# KiCad board HPM62_63_144_ADC_EVK_RevB.kicad_pcb
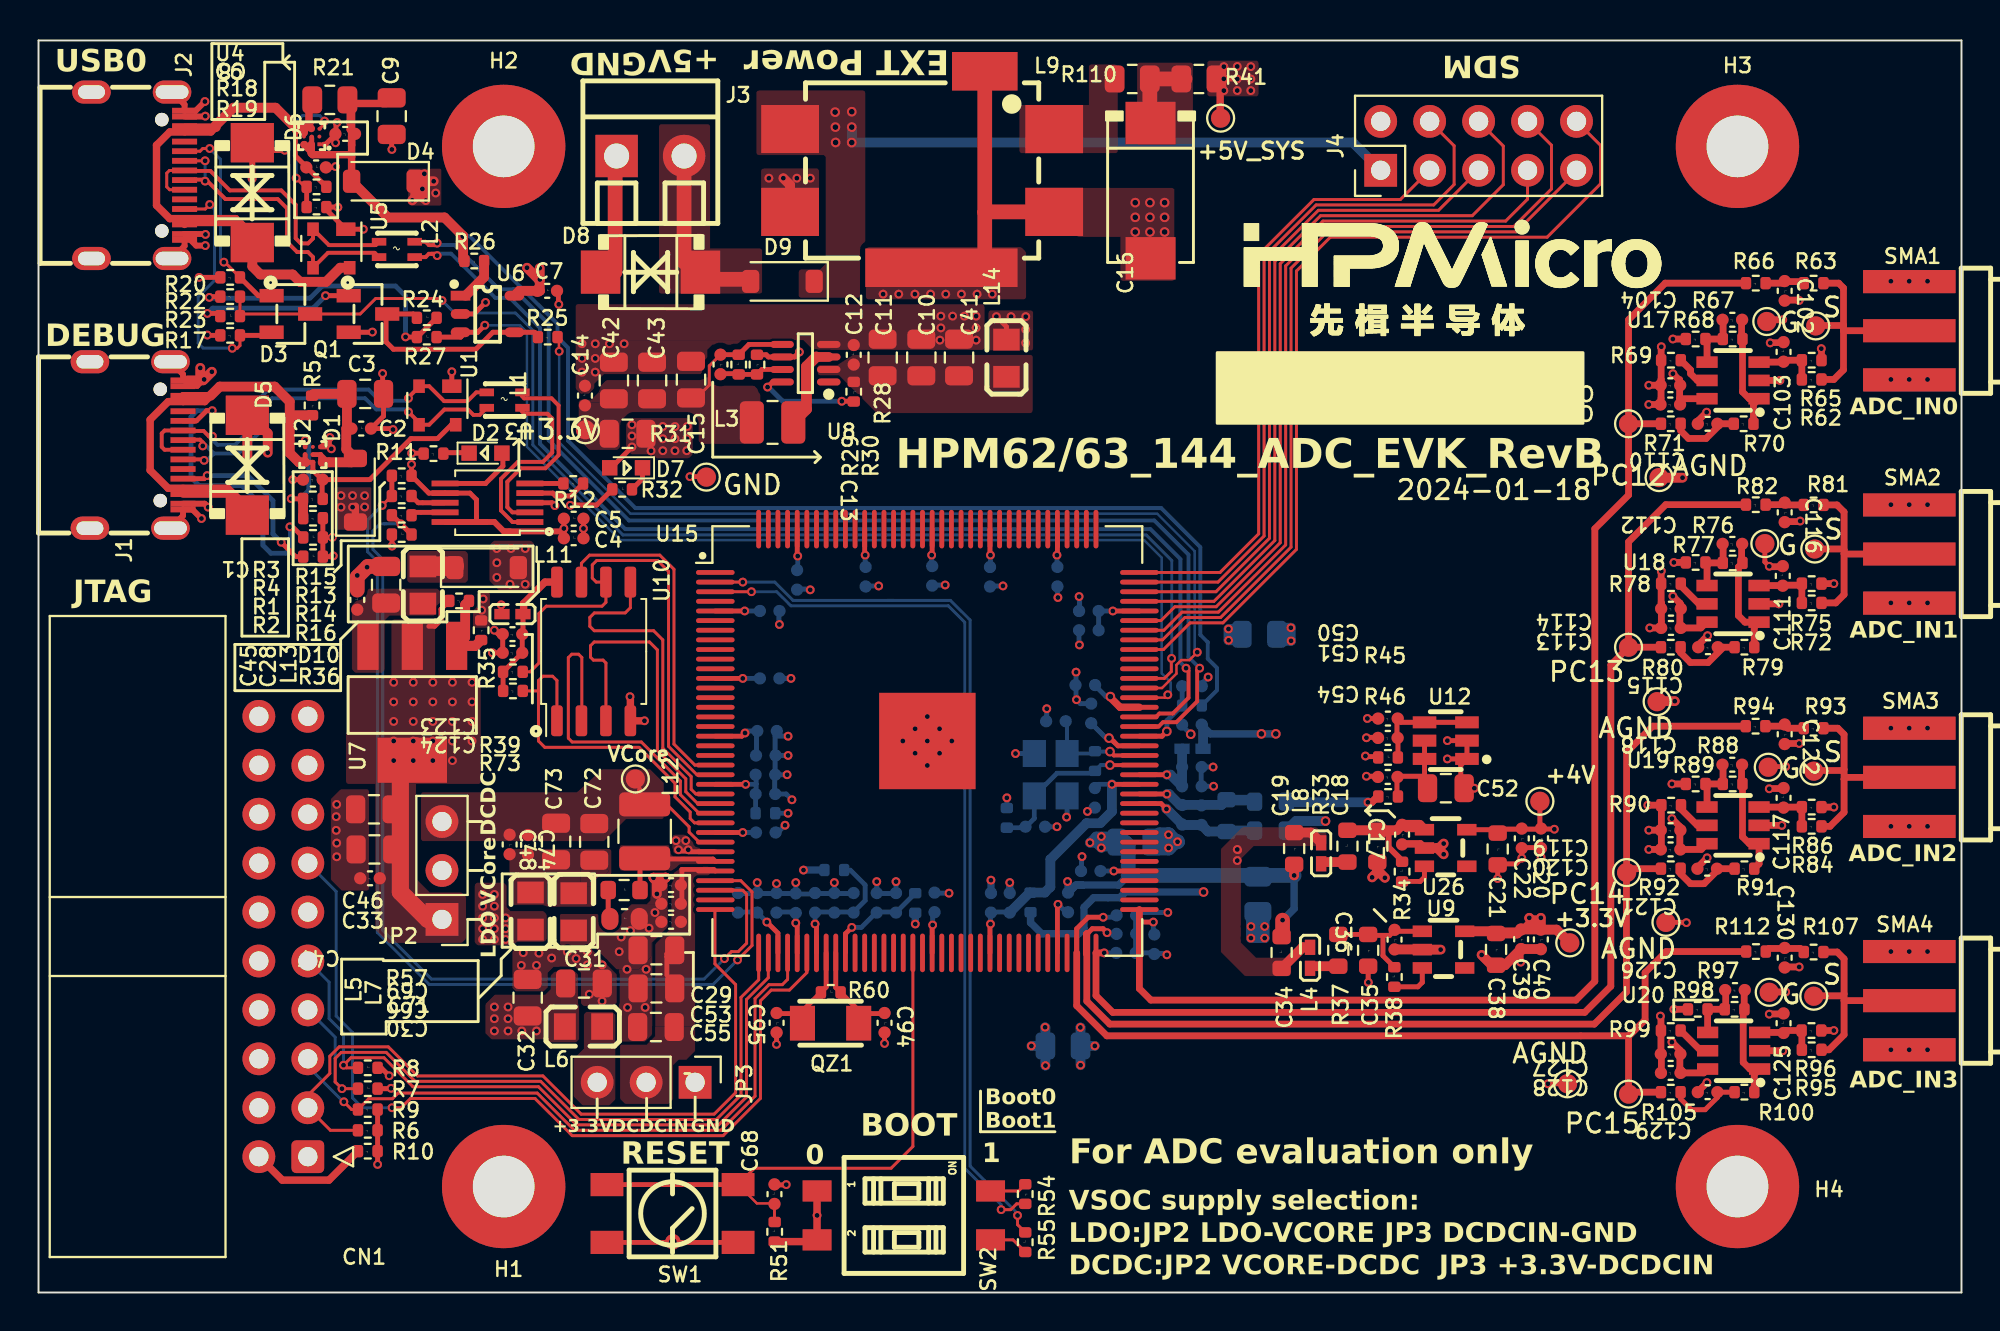
[diagram p0: board, top side]
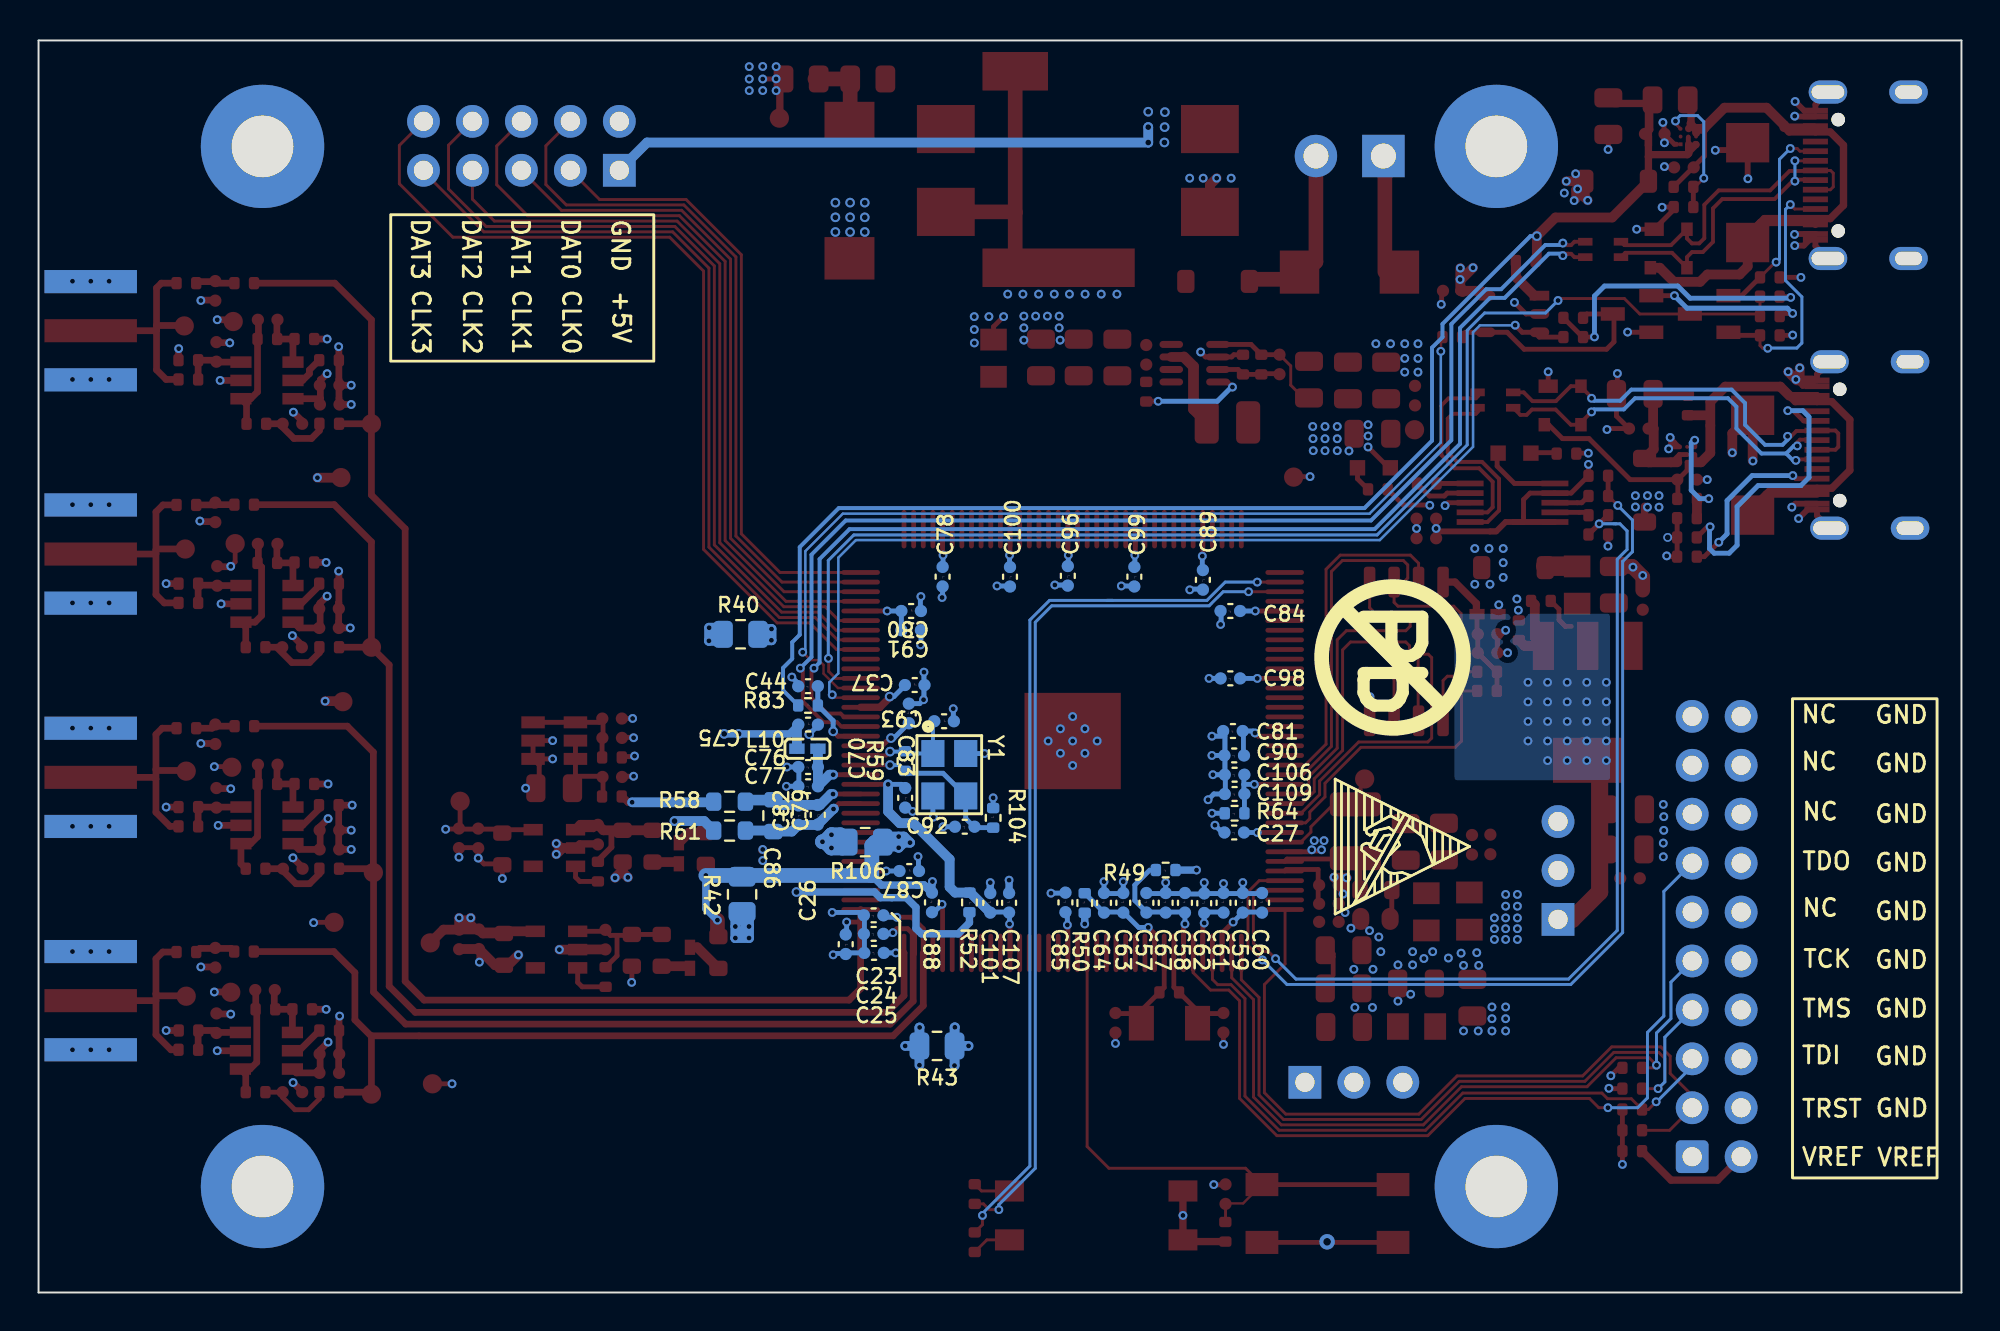
[diagram p1: board, bottom side, seen from below]

Outline 99.76 x 65 mm; copper layers: Top, In1.Cu, In2.Cu, Bottom. Coordinates in mm from the lower left corner of the outline.
Outline path: 0,65 99.76,65 99.76,0 0,0 0,65
Stack: Top 0.0351mm / dielectric 0.2103mm FR4 er 4.36 / In1.Cu 0.0152mm / dielectric 1.065mm FR4 er 4.43 / In2.Cu 0.0152mm / dielectric 0.2103mm FR4 er 4.36 / Bottom 0.0351mm

## Placement (name value [footprint] x y rotation side)
C1  0.1uF,50V  [C_0402]  14.23 42.2 180 top
C2  4.7uF,10V  [C_0402]  16.74 44.85 0 top
C3  22uF,10V  [C_0805_2012Metric]  16.95 46.65 0 top
C4  4.7uF,16V  [C_0402]  27.76 39.16 0 top
C5  0.1uF,16V  [C_0402]  27.76 40.17 0 top
C6  0.1uF,50V  [C_0402]  14.4 58.41 0 top
C7  4.7uF,16V  [C_0402]  26.39 52 0 top
C8  4.7uF,16V  [C_0402]  15.91 60.15 180 top
C9  22uF,10V  [C_0805_2012Metric]  18.32 61.07 270 top
C10  22uF,10V  [C_0805_2012Metric]  45.8 48.54 90 top
C11  22uF,10V  [C_0805_2012Metric]  43.79 48.54 90 top
C12  0.1uF,16V  [C_0402]  42.29 48.68 90 top
C13  18pF,50V  [C_0402]  35.38 48.18 270 top
C14  0.1uF,16V  [C_0402]  28.35 46.56 90 top
C15  22uF,10V  [C_0805_2012Metric]  33.85 47.39 90 top
C16  T491D107K016AT  [CAP-SMD_L7.3-W4.3-R-RD]  57.69 57.2 90 top
C17  0.1uF,16V  [C_0402]  70.74 23.77 270 top
C18  10uF,10V  [R_0603_1608Metric]  69.45 23.17 270 top
C19  10uF,10V  [R_0603_1608Metric]  65.14 23.05 270 top
C20  0.01uF,16V  [C_0402]  77.95 23.58 270 top
C21  10uF,10V  [R_0603_1608Metric]  75.7 23.03 270 top
C22  0.1uF,16V  [C_0402]  76.95 23.58 270 top
C23  10nF,50V  [C_0402]  56.43 19.58 0 bottom
C24  10nF,50V  [C_0402]  56.43 18.62 0 bottom
C25  10nF,50V  [C_0402]  56.42 17.63 0 bottom
C26  10nF,50V  [C_0402]  57.89 18.08 270 bottom
C27  0.1uF,16V  [C_0402]  37.73 23.88 0 bottom
C28  22uF,25V  [C_0805_2012Metric]  18.03 36.74 90 top
C29  22uF,10V  [C_0805_2012Metric]  32.05 17.77 180 top
C30  0.1uF,16V  [C_0402]  32.82 19.24 180 top
C31  22uF,10V  [C_0805_2012Metric]  28.3 16.04 0 top
C32  22uF,10V  [C_0805_2012Metric]  25.37 15.31 90 top
C33  22uF,25V  [C_0805_2012Metric]  17.42 23 180 top
C34  10uF,10V  [R_0603_1608Metric]  64.49 17.65 90 top
C35  10uF,10V  [R_0603_1608Metric]  68.98 17.76 270 top
C36  0.1uF,16V  [C_0402]  70.35 18.32 270 top
C37  0.1uF,16V  [C_0402]  54.31 31.54 180 bottom
C38  10uF,10V  [R_0603_1608Metric]  75.61 17.81 270 top
C39  0.1uF,16V  [C_0402]  76.92 18.34 270 top
C40  0.01uF,16V  [C_0402]  77.94 18.33 270 top
C41  22uF,10V  [C_0805_2012Metric]  47.75 48.54 90 top
C42  22uF,10V  [C_0805_2012Metric]  29.85 47.35 90 top
C43  22uF,10V  [C_0805_2012Metric]  31.83 47.35 90 top
C44  1uF,16V  [C_0402]  59.84 31.47 0 bottom
C45  0.1uF,25V  [C_0402]  16.54 35.96 90 top
C46  22uF,25V  [C_0805_2012Metric]  17.4 25.08 180 top
C47  0.1uF,25V  [C_0402]  17.2 21.5 180 top
C48  0.1uF,16V  [C_0402]  24.44 23.26 270 top
C50  10uF,10V  [C_0402]  70.01 29.8 180 top
C51  0.1uF,16V  [C_0402]  70 28.79 180 top
C52  22uF,10V  [C_0805_2012Metric]  73.01 26.18 0 top
C53  22uF,10V  [C_0805_2012Metric]  32.05 15.79 180 top
C54  0.1uF,16V  [C_0402]  70 26.76 180 top
C55  22uF,10V  [C_0805_2012Metric]  32.03 13.78 180 top
C57  10uF,10V  [C_0402]  42.28 20.23 90 bottom
C58  0.1uF,16V  [C_0402]  40.28 20.23 90 bottom
C59  4.7uF,16V  [C_0402]  37.28 20.23 90 bottom
C60  0.1uF,16V  [C_0402]  36.28 20.23 90 bottom
C61  4.7uF,16V  [C_0402]  38.28 20.23 90 bottom
C62  0.1uF,16V  [C_0402]  39.28 20.21 90 bottom
C63  10uF,10V  [C_0402]  43.48 20.23 90 bottom
C64  0.1uF,16V  [C_0402]  44.48 20.23 90 bottom
C66  0.1uF,16V  [C_0402]  32.82 20.18 180 top
C67  0.1uF,16V  [C_0402]  41.28 20.23 90 bottom
C68  0.1uF,16V  [C_0402]  38.18 5.11 90 top
C69  0.1uF,16V  [C_0402]  32.82 21.15 180 top
C70  0.1uF,16V  [C_0402]  54.8 25.68 270 bottom
C71  2200pF, 50V  [C_0603]  30.4 19.39 0 top
C72  22uF,10V  [C_0805_2012Metric]  28.83 23.39 270 top
C73  22uF,10V  [C_0805_2012Metric]  26.85 23.41 270 top
C74  0.1uF,16V  [C_0402]  25.39 23.24 270 top
C75  0.1uF,16V  [C_0402]  59.83 29.48 180 bottom
C76  4.7uF,16V  [C_0402]  59.83 27.28 0 bottom
C77  0.1uF,16V  [C_0402]  59.83 26.28 0 bottom
C78  0.1uF,16V  [C_0402]  52.86 37.16 270 bottom
C79  10nF,16V  [C_0402]  59.33 24.8 270 bottom
C80  0.1uF,16V  [C_0402]  54.49 35.38 180 bottom
C81  0.1uF,16V  [C_0402]  37.8 29.15 0 bottom
C82  0.1uF,16V  [C_0402]  60.33 24.78 270 bottom
C83  0.1uF,16V  [C_0402]  54.61 30.06 90 bottom
C84  0.1uF,16V  [C_0402]  37.93 35.38 0 bottom
C85  0.1uF,16V  [C_0402]  46.48 20.25 90 bottom
C86  10uF,10V  [R_0603_1608Metric]  61.64 24.75 270 bottom
C87  0.1uF,16V  [C_0402]  54.59 21.88 180 bottom
C88  0.1uF,16V  [C_0402]  53.41 20.25 90 bottom
C89  0.1uF,16V  [C_0402]  39.35 37 270 bottom
C90  22uF,6.3V  [C_0402]  37.73 27.88 0 bottom
C91  22uF,6.3V  [C_0402]  54.49 34.38 180 bottom
C92  18pF,50V  [C_0402]  51.71 24.18 0 bottom
C93  18pF,50V  [C_0402]  52.78 29.66 180 bottom
C94  12pF,50V  [C_0402]  43.89 14 270 top
C95  12pF,50V  [C_0402]  38.29 14 270 top
C96  0.1uF,16V  [C_0402]  46.36 37.21 270 bottom
C98  0.1uF,16V  [C_0402]  37.93 31.88 0 bottom
C99  0.1uF,16V  [C_0402]  42.91 37.16 270 bottom
C100  0.1uF,16V  [C_0402]  49.36 37.16 270 bottom
C101  10uF,10V  [C_0402]  50.39 20.23 90 bottom
C102  10nF,50V  [C_0402]  90.59 52 270 top
C103  10pF,50V  [C_0402]  90.53 48.83 90 top
C104  1nF,50V  [C_0402]  87.87 50.5 180 top
C105  0.1uF,16V  [C_0402]  84.66 47.1 180 top
C106  0.1uF,16V  [C_0402]  37.71 26.88 0 bottom
C107  0.1uF,16V  [C_0402]  49.41 20.23 90 bottom
C108  1uF,16V  [C_0402]  84.65 46.1 180 top
C109  10uF,10V  [C_0402]  37.71 25.88 0 bottom
C110  10nF,50V  [C_0402]  86.59 45.1 180 top
C111  10pF,50V  [C_0402]  90.49 37.2 90 top
C112  1nF,50V  [C_0402]  87.88 38.86 180 top
C113  0.1uF,16V  [C_0402]  84.69 34.5 180 top
C114  1uF,16V  [C_0402]  84.69 35.5 180 top
C115  10nF,50V  [C_0402]  86.61 33.5 180 top
C116  10nF,50V  [C_0402]  90.59 40.5 270 top
C117  10pF,50V  [C_0402]  90.53 25.68 90 top
C118  1nF,50V  [C_0402]  87.87 27.4 180 top
C119  0.1uF,16V  [C_0402]  84.67 24 180 top
C120  1uF,16V  [C_0402]  84.67 23 180 top
C121  10nF,50V  [C_0402]  86.57 22 180 top
C122  10nF,50V  [C_0402]  90.59 28.98 270 top
C123  0.1uF,16V  [C_0402]  24.59 34.18 180 top
C124  10uF,10V  [C_0402]  24.59 33.21 180 top
C125  10pF,50V  [C_0402]  90.53 13.98 90 top
C126  1nF,50V  [C_0402]  88.01 15.7 180 top
C127  0.1uF,16V  [C_0402]  84.67 12.38 180 top
C128  1uF,16V  [C_0402]  84.68 11.4 180 top
C129  10nF,50V  [C_0402]  86.59 10.4 180 top
C130  10nF,50V  [C_0402]  90.59 17.38 270 top
CN1  2.54-2*10P弯简牛  [IDC-Header_2x10_P2.54mm_Horizontal]  13.97 7.05 180 top
D1  1N5819HW-7-F  [D_SOD-123]  16.44 41.65 90 top
D2  LED GREEN  [LED_0603]  23.19 43.58 180 top
D3  BAT54A-7-F  [SOT-23]  13.09 50.8 180 top
D4  1N5819HW-7-F  [D_SOD-123]  17.89 57.69 180 top
D5  SMB/DO-214AA_P6SMB6.8CA  [SMB_(DO-214AA)]  10.83 42.95 270 top
D6  SMB/DO-214AA_P6SMB6.8CA  [SMB_(DO-214AA)]  11.09 57.1 270 top
D7  LED_RED  [LED_0603]  30.48 42.81 0 top
D8  SMB/DO-214AA_P6SMB6.8CA  [SMB_(DO-214AA)]  31.75 52.97 0 top
D9  1N5819HW-7-F  [D_SOD-123]  38.59 52.49 180 top
D10  1N5819HW-7-F  [D_SOD-123]  23.24 37.63 0 top
H1  MountingHole  [MountingHole_3.2mm_M3_Pad]  24.13 5.5 0 top
H2  MountingHole  [MountingHole_3.2mm_M3_Pad]  24.13 59.5 0 top
H3  MountingHole  [MountingHole_3.2mm_M3_Pad]  88.14 59.5 0 top
H4  MountingHole  [MountingHole_3.2mm_M3_Pad]  88.14 5.5 0 top
J1  KH-TYPE-C-16P  [TYPE-C-16P]  5.08 44 270 top
J2  KH-TYPE-C-16P  [TYPE-C-16P]  5.16 58 270 top
J3  DB125-3.5-2P-GN-S  [CONN-TH_2P-P3.50_L7.4-W7.0]  31.74 59 0 top
J4  HEADER 5X2  [PinHeader_2x05_P2.54mm_Vertical]  69.63 58.26 90 top
JP2  Jumper_3_Bridged12  [PinHeader_1x03_P2.54mm_Vertical]  20.93 19.37 180 top
JP3  Jumper_3_Bridged12  [PinHeader_1x03_P2.54mm_Vertical]  34.06 10.91 270 top
L1  DLW21SN900SQ2L  [L2012]  24.18 46.33 270 top
L2  DLW21SN900SQ2L  [L2012]  18.59 54.15 270 top
L3  4.7uH-1.24A 156mΩ  [L_1008_2520Metric]  38.08 45.17 0 top
L4  BLM15AG102SN1D  [L0402]  65.96 17.38 270 top
L5  BLM21AG121SN1D  [L0805]  25.53 19.8 90 top
L6  BLM21AG121SN1D  [L0805]  28.27 13.81 0 top
L7  BLM21AG121SN1D  [L0805]  27.76 19.76 270 top
L8  BLM15AG102SN1D  [L0402]  66.54 22.8 270 top
L9  BNX024H01L  [FILTER-SMD_BNX022-01L]  45.84 58.3 0 top
L10  BLM15AG102SN1D  [L0402]  59.87 28.23 180 bottom
L11  BLM15AG102SN1D  [L0402]  24.59 35.22 180 top
L12  4.7uH  [L_1210_3225Metric]  31.45 23.94 270 top
L13  BLM21AG121SN1D  [L0805]  19.94 36.73 270 top
L14  BLM21AG121SN1D  [L0805]  50.22 48.5 270 top
NOREF  -  [ESD2]  25.47 26.75 270 bottom
Q1  2N7002  [SOT-23]  17.09 50.8 180 top
QZ1  32.768kHz  [3215]  41.09 13.98 180 top
R1  5.1K  [R_0402_1005Metric]  14.24 39.2 0 top
R2  5.1K  [R_0402_1005Metric]  14.24 38.2 0 top
R3  1M  [R_0402_1005Metric]  14.23 41.2 180 top
R4  249K  [R_0402_1005Metric]  14.24 40.2 180 top
R5  0R  [R_0402_1005Metric]  14.19 46.05 270 top
R6  10K  [R_0402_1005Metric]  17.08 8.42 180 top
R7  10K  [R_0402_1005Metric]  17.08 10.58 0 top
R8  10K  [R_0402_1005Metric]  17.08 11.66 0 top
R9  10K  [R_0402_1005Metric]  17.08 9.5 180 top
R10  0Ω  [R_0402_1005Metric]  17.08 7.34 180 top
R11  1K  [R_0402_1005Metric]  20.49 43.55 180 top
R12  2K  [R_0402_1005Metric]  27.74 42 180 top
R13  33Ω  [R_0402_1005Metric]  18.84 41.35 180 top
R14  33Ω  [R_0402_1005Metric]  18.84 40.35 180 top
R15  5.1K  [R_0402_1005Metric]  18.84 42.4 180 top
R16  5.1K  [R_0402_1005Metric]  18.84 39.35 0 top
R17  5.1K  [R_0402_1005Metric]  9.94 49.69 180 top
R18  1M  [R_0402_1005Metric]  14.42 57.4 180 top
R19  249K  [R_0402_1005Metric]  14.42 56.35 180 top
R20  5.1K  [R_0402_1005Metric]  9.94 52.7 180 top
R21  0R  [R_0805_2012Metric]  15.11 61.91 180 top
R22  100K  [R_0402_1005Metric]  9.94 51.7 180 top
R23  10K  [R_0402_1005Metric]  9.94 50.69 0 top
R24  10K  [R_0402_1005Metric]  20.14 50.6 0 top
R25  0Ω  [R_0402_1005Metric]  26.42 49.6 180 top
R26  0Ω  [R_0402_1005Metric]  22.61 53.55 180 top
R27  10K  [R_0402_1005Metric]  20.14 49.6 0 top
R28  10K  [R_0402_1005Metric]  42.29 46.76 270 top
R29  200K  [R_0402_1005Metric]  36.32 48.17 90 top
R30  44.2K  [R_0402_1005Metric]  37.27 48.17 270 top
R31  0Ω  [C_0805_2012Metric]  30.56 44.58 180 top
R32  2K  [R_0402_1005Metric]  30.28 41.7 0 top
R33  10Ω  [R_0603_1608Metric]  67.9 23.17 90 top
R34  10K  [R_0402_1005Metric]  70.74 21.85 90 top
R35  0Ω_0402  [R_0402_1005Metric]  22.96 34.38 270 top
R36  NC  [R_0402_1005Metric]  21.82 35.9 180 top
R37  10Ω  [R_0603_1608Metric]  67.43 17.76 90 top
R38  10K  [R_0402_1005Metric]  70.34 16.38 90 top
R39  10K  [R_0402_1005Metric]  24.61 32.22 180 top
R40  0Ω  [R_0805_2012Metric]  63.34 34.17 0 bottom
R41  0Ω  [R_0805_2012Metric]  60.2 63 0 top
R42  0Ω  [R_0805_2012Metric]  63.26 20.67 270 bottom
R43  0Ω  [R_0805_2012Metric]  53.15 12.8 0 bottom
R45  0Ω  [R_0402_1005Metric]  70.01 27.78 0 top
R46  0Ω  [R_0402_1005Metric]  70.02 25.75 180 top
R49  0Ω  [R_0402_1005Metric]  41.28 21.93 0 bottom
R50  0Ω  [R_0402_1005Metric]  45.48 20.22 90 bottom
R51  10K  [R_0402_1005Metric]  38.19 3.15 90 top
R52  0Ω  [R_0402_1005Metric]  51.46 20.25 270 bottom
R54  1k  [R_0402_1005Metric]  51.19 5.11 270 top
R55  1k  [R_0402_1005Metric]  51.19 2.61 90 top
R57  10Ω  [R_0603_1608Metric]  30.38 20.89 0 top
R58  0Ω  [R_0603_1608Metric]  63.91 25.48 0 bottom
R59  2M  [R_0402_1005Metric]  54.81 27.59 270 bottom
R60  10M  [R_0402_1005Metric]  41.1 15.58 0 top
R61  0Ω  [R_0603_1608Metric]  63.91 23.98 0 bottom
R62  49.9Ω  [R_0402_1005Metric]  91.99 47.4 180 top
R63  49.9Ω  [R_0402_1005Metric]  92.09 52.4 180 top
R64  0Ω  [R_0402_1005Metric]  37.71 24.88 0 bottom
R65  49.9Ω  [R_0402_1005Metric]  91.99 48.4 180 top
R66  0Ω  [R_0402_1005Metric]  89.09 52.4 180 top
R67  0Ω  [R_0402_1005Metric]  87.89 49.5 180 top
R68  1K  [R_0402_1005Metric]  85.97 49.5 180 top
R69  0Ω  [R_0402_1005Metric]  84.69 48.4 180 top
R70  2.2Ω  [R_0402_1005Metric]  88.46 45.1 180 top
R71  0Ω  [R_0402_1005Metric]  84.68 45.1 180 top
R72  49.9Ω  [R_0402_1005Metric]  91.99 35.8 180 top
R73  10K  [R_0402_1005Metric]  24.61 31.23 180 top
R75  49.9Ω  [R_0402_1005Metric]  91.99 36.8 180 top
R76  0Ω  [R_0402_1005Metric]  87.89 37.88 180 top
R77  1K  [R_0402_1005Metric]  85.97 37.9 180 top
R78  0Ω  [R_0402_1005Metric]  84.69 36.8 180 top
R79  2.2Ω  [R_0402_1005Metric]  88.5 33.5 180 top
R80  0Ω  [R_0402_1005Metric]  84.68 33.5 180 top
R81  49.9Ω  [R_0402_1005Metric]  92.09 40.89 180 top
R82  0Ω  [R_0402_1005Metric]  89.09 40.9 180 top
R83  1K  [R_0402_1005Metric]  59.84 30.47 180 bottom
R84  49.9Ω  [R_0402_1005Metric]  91.99 24.2 180 top
R86  49.9Ω  [R_0402_1005Metric]  91.99 25.2 180 top
R88  0Ω  [R_0402_1005Metric]  87.89 26.4 180 top
R89  1K  [R_0402_1005Metric]  85.97 26.4 180 top
R90  0Ω  [R_0402_1005Metric]  84.7 25.3 180 top
R91  2.2Ω  [R_0402_1005Metric]  88.5 22 180 top
R92  0Ω  [R_0402_1005Metric]  84.68 22 180 top
R93  49.9Ω  [R_0402_1005Metric]  92.09 29.29 180 top
R94  0Ω  [R_0402_1005Metric]  89.08 29.4 180 top
R95  49.9Ω  [R_0402_1005Metric]  91.99 12.6 180 top
R96  49.9Ω  [R_0402_1005Metric]  91.98 13.6 180 top
R97  0Ω  [R_0402_1005Metric]  87.99 14.7 180 top
R98  1K  [R_0402_1005Metric]  86.08 14.7 180 top
R99  0Ω  [R_0402_1005Metric]  84.68 13.6 180 top
R100  2.2Ω  [R_0402_1005Metric]  88.5 10.4 180 top
R104  1MΩ  [R_0402_1005Metric]  50.23 24.64 90 bottom
R105  0Ω  [R_0402_1005Metric]  84.68 10.4 180 top
R106  0Ω  [R_0805_2012Metric]  56.87 23.38 0 bottom
R107  49.9Ω  [R_0402_1005Metric]  92.09 17.67 180 top
R110  1Ω  [R_0805_2012Metric]  56.74 63 0 top
R112  0Ω  [R_0402_1005Metric]  89.1 17.7 180 top
SMA1  SMA_C9900018296  [SMA-SMD_BWSMA-KE-P001]  97.05 49.93 0 top
SMA2  SMA_C9900018296  [SMA-SMD_BWSMA-KE-P001]  97.05 38.34 0 top
SMA3  SMA_C9900018296  [SMA-SMD_BWSMA-KE-P001]  97.05 26.74 0 top
SMA4  SMA_C9900018296  [SMA-SMD_BWSMA-KE-P001]  97.05 15.15 0 top
SW1  轻触开关4.5mm  [轻触开关SMD-4P,4.5x4.5mm]  32.89 4.1 0 top
SW2  DM-02-V  [SW-SMD_DM-02-V]  44.89 4 270 top
TP2  +5V_SYS  [TestPoint_Pad_D1.0mm]  61.33 60.97 0 top
TP3  +3.3V  [TestPoint_Pad_D1.0mm]  28.37 44.79 0 top
TP4  +3.3V  [TestPoint_Pad_D1.0mm]  79.44 18.15 180 top
TP6  +4V  [TestPoint_Pad_D1.0mm]  77.89 25.5 180 top
TP7  GND  [TestPoint_Pad_D1.0mm]  34.65 42.33 0 top
TP11  G  [TestPoint_Pad_D1.0mm]  89.66 50.41 0 top
TP12  S  [TestPoint_Pad_D1.0mm]  92.2 50.18 0 top
TP13  AGND  [TestPoint_Pad_D1.0mm]  84.07 42.31 0 top
TP15  PC12  [TestPoint_Pad_D1.0mm]  82.49 45.1 0 top
TP16  G  [TestPoint_Pad_D1.0mm]  89.56 38.88 0 top
TP17  S  [TestPoint_Pad_D1.0mm]  92.15 38.6 0 top
TP18  AGND  [TestPoint_Pad_D1.0mm]  83.97 30.67 0 top
TP19  PC13  [TestPoint_Pad_D1.0mm]  82.49 33.5 0 top
TP20  G  [TestPoint_Pad_D1.0mm]  89.74 27.27 0 top
TP21  S  [TestPoint_Pad_D1.0mm]  92.1 27.07 0 top
TP22  AGND  [TestPoint_Pad_D1.0mm]  84.43 19.22 0 top
TP23  PC14  [TestPoint_Pad_D1.0mm]  82.39 21.8 0 top
TP24  G  [TestPoint_Pad_D1.0mm]  89.79 15.58 0 top
TP25  S  [TestPoint_Pad_D1.0mm]  92.1 15.38 0 top
TP28  VCore  [TestPoint_Pad_D1.0mm]  30.96 26.66 0 top
TP29  AGND  [TestPoint_Pad_D1.0mm]  79.32 10.83 0 top
TP30  PC15  [TestPoint_Pad_D1.0mm]  82.49 10.3 0 top
U1  PRTR5V0U2X  [SOT-143]  20.69 46.05 270 top
U2  AW33901FCR  [FCQFN-9]  14.23 43.5 270 top
U3  CH340E  [MSOP-10]  23.29 41 180 top
U4  AW33901FCR  [FCQFN-9]  14.17 60.01 180 top
U5  PRTR5V0U2X  [SOT-143]  15.19 54.2 270 top
U6  AP2151WG-7  [SOT-23-5]  23.29 50.8 0 top
U7  AMS1117_ADJ  [SOT-223-3]  19.39 30.6 90 top
U8  MP2161GJ-Z  [TSOT-23-8_L2.9-W1.6-P0.65-LS2.8-BR]  39.78 48.24 0 top
U9  TPS7A2033PDBVR  [SOT-23-5_L2.9-W1.6-P0.95-LS2.8-BR]  72.89 17.8 180 top
U10  MX25L12833FM2I-10G  [SOIC8_208mil]  28.8 33.28 90 top
U12  REF3433IDBVR  [TSOT-23-6_L2.9-W1.6-P0.95-LS2.8-TL]  73.01 28.65 180 top
U15  HPM6200IPA1  [eLQFP144L_22x22_P0.5mm_EP5x5mm]  46.11 28.63 0 top
U17  OPA625IDBVR  [SOT-23-6_L2.9-W1.6-P0.95-LS2.8-BR]  87.91 47.35 0 top
U18  OPA625IDBVR  [SOT-23-6_L2.9-W1.6-P0.95-LS2.8-BR]  87.91 35.75 0 top
U19  OPA625IDBVR  [SOT-23-6_L2.9-W1.6-P0.95-LS2.8-BR]  87.91 24.25 0 top
U20  OPA625IDBVR  [SOT-23-6_L2.9-W1.6-P0.95-LS2.8-BR]  87.94 12.55 0 top
U26  TPS7A2042PDBVR  [SOT-23-5_L2.9-W1.6-P0.95-LS2.8-BR]  73 23.08 180 top
Y1  XTAL_24MHZ  [3225]  52.51 26.88 270 bottom

## Library data of the parts
C1 C6 = -: Description: 0402; Company: SAMSUNG(三星); Model: 0402B104K500NT
C2 C4 C7 C8 C59 C61 C76 C82 C92-C95 = -: Description: 0402; Company: SAMSUNG(三星); Model: CL05A475MP5NRNC
C3 C9-C11 C15 C29 C31 C32 C41-C43 C52 C53 C55 C72 C73 = -: Description: 0805; Company: SAMSUNG(三星); Model: CL21A226MPQNNNE
C5 C12 C14 C17 C22 C27 C30 C36 C37 C39 C44 C48 C51 C54 C58 C60 C62 C64 C66-C70 C74 C75 C77-C81 C83-C85 C87-C89 C96 C98-C100 C105-C107 C113 C119 C123 C127 = -: Description: 0402; Company: SAMSUNG(三星); Model: CL05B104KO5NNNC
C13 = -: Description: 0402; Company: YAGEO(国巨); Model: CC0402JRNPO9BN180
C16 = -: Company: KEMET(基美); SuppliersPartNumber: C110548; uuid: std:fa6f47a1cd634a48b153a792f2868b11
C18 C19 C21 C34 C35 C38 C86 = -: Company: SAMSUNG(三星); Model: CL10A106KP8NNNC
C20 C40 = -: Description: 0402; Company: YAGEO(国巨); Model: CC0402KRX7R7BB103
C23-C26 C102 C116 C122 C130 = -: Description: 0402; Company: SAMSUNG(三星); DNP: DNP; Model: CL05B103KB5NNNC
C28 C33 C46 = -: Description: 25V_0805; Company: SAMSUNG(三星); Model: CL21A226MAQNNNE
C45 C47 = -: Company: 0402; Model: 0402B104K250NT
C50 C57 C63 C101 C109 C124 = -: Description: 0402; Company: SAMSUNG(三星); Model: CL05A106MP5NUNC
C71 = -: Description: 0402; Company: SAMSUNG(三星); Model: CL05B222KB5NNNC
C90 C91 = -: Description: 0402; Company: SAMSUNG(三星); Model: CL05A226MQ6ZUN8
C103 C111 C117 C125 = -: Description: 0402; Company: YAGEO(国巨); DNP: DNP; Model: CC0402JRNPO9BN100
C104 C112 C118 C126 = -: Description: 0402; Company: SAMSUNG(三星); Model: CL05B102KB5NNNC
C108 C114 C120 C128 = -: Description: 0402; Company: SAMSUNG(三星); Model: CL05A105KO5NNNC
C110 C115 C121 C129 = -: Description: 0402; Company: SAMSUNG(三星); Model: CL05B103KB5NNNC
CN1 = -: SuppliersPartNumber: C93700
D1 D4 D9 D10 = -: Description: 40V,1A; Company: DIODES(美台); Model: 1N5819HW-7-F; SuppliersPartNumber: C115726
D2 = -: Company: 国星光电; Model: NCD0603C1
D3 = -: Description: 肖特基二极管，一输入，同向两输出; Company: DIODES(美台); SuppliersPartNumber: C134401
D5 D6 D8 = -: Description: 瞬态抑制二极管(TVS); Comment: P6SMB6.8CA; Company: Brightking(君耀电子); ComponentLink1Description: 供应商链接; Model: P6SMB6.8CA/TR13; Package: SMB/DO-214AA; Supplier: LC; SuppliersPartNumber: C78395; description: TVS
D7 = -: Company: 国星光电; Model: NCD0603R1
H1-H4 = -: Description: Mounting Hole with connection
J1 J2 = -: Description: kinghelm(金航标); Company: kinghelm(金航标)
J3 = -: Company: DIBO(地博电气); SuppliersPartNumber: C466970; uuid: std:f941f515b5f84499a781072d7f67603b
J4 = -: Description: P2.54; Company: XFCN(兴飞); Model: PZ254V-12-10P
JP2 JP3 = -: Description: Jumper, 3-pole, pins 1+2 closed/bridged
L1 L2 = -: Description: 共模滤波器; Company: muRata(村田)
L3 = -: Description: SWPA3012S4R7MT; Company: Sunlord(顺络); Model: SWPA3012S4R7MT
L4 L8 L10 L11 = -: Company: muRata(村田); SuppliersPartNumber: C76883; uuid: std:31453510072c4f8e98ec6bbf092c7702
L5-L7 L13 L14 = -: Company: muRata(村田); SuppliersPartNumber: C88990; uuid: std:c6c312cff53c449fa945d85d178df128
L9 = -: Company: muRata(村田); SuppliersPartNumber: C124739; uuid: std:4caaedfd5ace4634969c82584ff1f893
L12 = -: Description: 1276AS-H-4R7M=P2; Company: muRata(村田); Model: 1276AS-H-4R7M=P2
Q1 = -: Description: 场效应管MOSFET, 60V ，115mA; Company: CJ(江苏长电/长晶)
QZ1 = -: Company: EPSON(爱普生); Model: FC-135 32.7680KA-AC; SuppliersPartNumber: C1669858
R1 R2 R11 R13-R17 R20 = -: Description: Resistor; Company: UNI-ROYAL(厚声); Model: 0402WGF5101TCE
R3 R4 R6-R9 R18 R19 R23 R24 R27 R28 R32 R34 R38 R39 R73 = -: Description: Resistor; Company: UNI-ROYAL(厚声); Model: 0402WGF1002TCE
R5 R10 R21 R25 = -: Description: Resistor; Company: UNI-ROYAL(厚声); DNP: DNP; Model: 0402WGF1002TCE
R12 = -: Description: Resistor; ASSY_OPT: DNP; Company: UNI-ROYAL(厚声); Model: 0402WGF5101TCE
R22 = -: Description: Resistor; Company: UNI-ROYAL(厚声); Model: 0402WGF1003TCE
R26 R31 R35 R45 R46 R49 R50 R52 R64 R66 R69 R78 R82 R90 R94 R99 R112 = -: Description: Resistor; Company: YAGEO(国巨); Model: RC0402JR-070RL
R29 = -: Company: UNI-ROYAL(厚声); Model: 0402WGF2003TCE
R30 = -: Description: 44.2K_0402; Company: UNI-ROYAL(厚声); Model: 0402WGF4422TCE
R33 R37 R57 = -: Company: UNI-ROYAL(厚声); Model: 0603WAF100JT5E
R36 = -: Description: Resistor
R40-R43 R58 R61 R106 = -: Description: Resistor; Company: FH(风华); Model: RS-05000JT
R51 R60 = -: Description: Resistor; ASSY_OPT: DNP; Company: YAGEO(国巨); Model: RC0402JR-070RL
R54 R55 R67 R76 R83 R88 R97 = -: Description: Resistor; Company: UNI-ROYAL(厚声); Model: 0402WGF1001TCE
R59 = -: Description: Resistor; Company: UNI-ROYAL(厚声); Model: 0402WGF2004TCE
R62 R65 R72 R75 R84 R86 R95 R96 = -: Description: Resistor; Company: UNI-ROYAL(厚声); DNP: DNP; Model: 0402WGF499JTCE
R63 R70 R79 R81 R91 R93 R100 R107 = -: Description: Resistor; Company: UNI-ROYAL(厚声); Model: 0402WGF220KTCE
R68 R77 R89 R98 = -: Description: Resistor; Company: UNI-ROYAL(厚声); DNP: DNP; Model: 0402WGF1001TCE